# Altium PCB PIXHACK.PcbDoc (part 2 of 3)
Units mm, origin at the board's own origin, x right, y up, seen from the top; angles counter-clockwise.
Board outline 49 x 41 mm, 4 copper layers (Top Layer, GND, power, Bottom Layer); 140 components, 206 nets, 724 pads, 254 vias.
Unrouted connection lines stored in the file: 2.
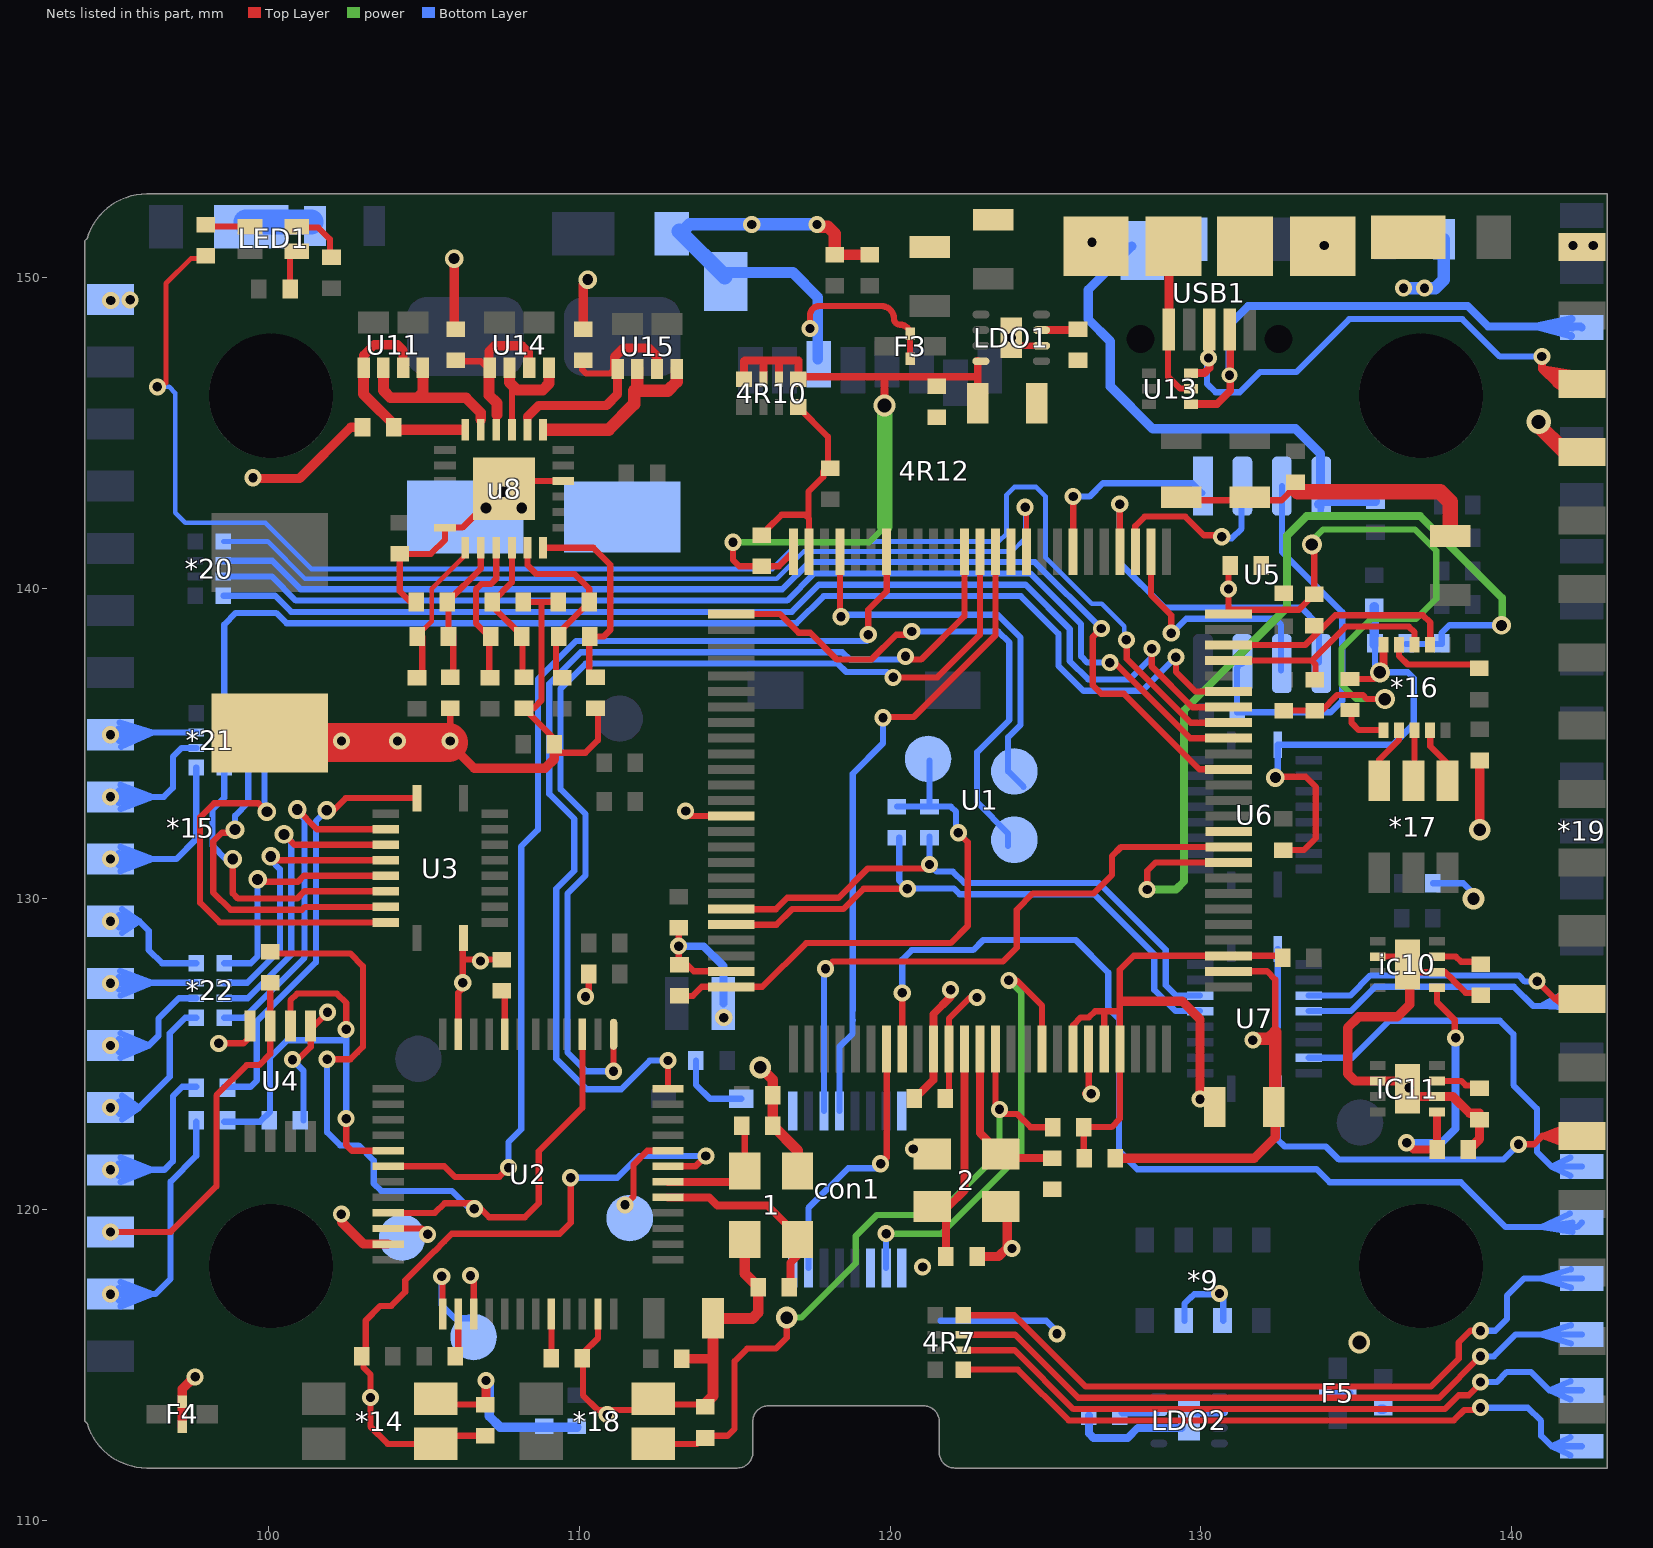
[diagram p4: the nets of this part, all layers, seen from the top]

## Via types
v1: diameter 0.55, hole 0.3, Top Layer to Bottom Layer, 198 vias
v2: diameter 0.6, hole 0.35, Top Layer to Bottom Layer, 24 vias
v3: diameter 0.7, hole 0.4, Top Layer to Bottom Layer, 9 vias
v4: diameter 0.9, hole 0.6, Top Layer to Bottom Layer, 5 vias
v5: diameter 0.7, hole 0.45, Top Layer to Bottom Layer, 4 vias
v6: diameter 0.65, hole 0.4, Top Layer to Bottom Layer, 4 vias
v7: diameter 0.5, hole 0.3, Top Layer to Bottom Layer, 2 vias
v8: diameter 0.8, hole 0.5, Top Layer to Bottom Layer, 2 vias
v9: diameter 0.65, hole 0.35, Top Layer to Bottom Layer, 2 vias
v10: diameter 0.9, hole 0.55, Top Layer to Bottom Layer, 1 vias
v11: diameter 1, hole 0.6, Top Layer to Bottom Layer, 1 vias
v12: diameter 0.8, hole 0.6, Top Layer to Bottom Layer, 1 vias
v13: diameter 0.8, hole 0.45, Top Layer to Bottom Layer, 1 vias

## Nets (pads, with @x,y where several pads share a name; then routed paths per layer and width w, separated by ;. In a path a pad name is that pad's centre, name@x,y a point inside that pad or via, vN(x,y) a via of type N, cw(c..) or ccw(c..) an arc to the next point about the centre after c; other vN are vias at no path point) (continued)
DM: *19.39 U13.1 USB1.2 | length 20.3
  Top Layer w0.254: U13.1@129.685,145.916 130.516,145.916 130.95,146.35 USB1.2@130.95,148.3
  Bottom Layer w0.254: v7@130.925,146.9 130.925,148.475 131.525,149.075 138.593,149.075 139.249,148.419 142.223,148.419 *19.39@142.259,148.383 ; *19.39@141.919,148.113 140.796,148.419 ; *19.39@141.935,148.655 140.796,148.419 ; *19.39@141.959,148.383 140.796,148.419
  other v7: 130.925,146.85
DP: *19.16 U13.3 USB1.3 | length 23.2
  Top Layer w0.254: U13.3@129.685,146.916 130.116,146.916 130.275,147.075 130.275,148.018 USB1.3@130.275,148.175 ; v1(140.975,147.45) 140.975,147.05 ; *19.16@141.785,146.305 140.975,147.05 ; *19.16@142.063,146.88 140.975,147.05 ; *19.16@142.267,146.572 141.453,146.572 ; 140.975,147.05 *19.16@141.967,146.572 ; 140.975,147.05 141.453,146.572 ; 141.453,146.572 *19.16@141.967,146.572 ; 141.453,146.572 141.865,146.879 141.453,146.572 ; 141.453,146.572 141.865,146.265 141.453,146.572 ; 141.453,146.572 *19.16@141.967,146.572
  Bottom Layer w0.2: v1@130.2,147.425 130.2,146.575 130.475,146.3 131.252,146.3 131.902,146.95 133.069,146.95 134.775,148.656 138.419,148.656 139.625,147.45 v1(140.975,147.45)
  other v1: 130.25,147.4
EXT_MISO: 4R7.3 *19.21 | length 24.6
  Top Layer w0.2: 4R7.3@122.35,115.975 124.025,115.975 126.055,113.945 137.67,113.945 v1(139,115.275)
  Bottom Layer w0.2: v1(139,115.275) 139.425,115.275 140.133,115.983 *19.21@142.259,115.983 ; *19.21@141.914,115.686 140.959,115.983 ; *19.21@141.914,116.28 140.959,115.983 ; *19.21@141.959,115.983 140.959,115.983
EXT_MOSI: 4R7.4 *19.22 | length 26
  Top Layer w0.2: 4R7.4@122.35,116.6 124,116.6 126.29,114.31 137.41,114.31 138.3,115.2 138.3,115.725 138.675,116.1 v1(139,116.1)
  Bottom Layer w0.2: v1(139,116.1) 139.475,116.1 139.85,116.475 139.85,117.225 140.408,117.783 *19.22@142.259,117.783 ; *19.22@141.914,117.486 140.959,117.783 ; *19.22@141.914,118.08 140.959,117.783 ; *19.22@141.959,117.783 140.959,117.783
EXT_NSS: 4R7.2 *19.20 | length 23.8
  Top Layer w0.2: 4R7.2@122.35,115.475 124.009,115.475 125.904,113.58 137.855,113.58 138.3,114.025 138.625,114.025 139,114.4 v1@138.88,114.52
  Bottom Layer w0.2: v1(139,114.45) 139.525,114.45 139.85,114.775 140.625,114.775 141.217,114.183 ; *19.20@141.898,113.889 141.217,114.183 ; *19.20@141.898,114.477 141.217,114.183 ; *19.20@141.959,114.183 141.217,114.183 ; *19.20@142.259,114.183 141.217,114.183
EXT_SCK: 4R7.1 *19.19 | length 23.3
  Top Layer w0.2: 4R7.1@122.35,114.85 124.118,114.85 125.753,113.215 138.14,113.215 138.475,113.55 138.9,113.55 v1@139.05,113.55
  Bottom Layer w0.2: 139.3,113.625 140.525,113.625 140.95,113.2 140.95,112.725 141.292,112.383 ; *19.19@141.892,112.091 141.292,112.383 ; *19.19@141.892,112.675 141.292,112.383 ; *19.19@141.959,112.383 141.292,112.383 ; *19.19@142.259,112.383 141.292,112.383
  other v1: 139,113.625
FMU_AMBER_LED: R41.2 U1.43 | length 51.5
  Top Layer w0.154: v1(96.425,146.475) 96.575,146.475 96.7,146.6 96.7,149.8 97.5,150.6 R41.2@98.1,150.6
  Top Layer w0.2: v1(127.606,138.332) 127.606,138.156 127.6,138.15 127.6,138.14 127.615,138.14 127.615,137.726 129.674,135.667 U1.43@130.894,135.667
  Bottom Layer w0.154: v1(96.425,146.475) 96.8,146.475 97,146.275 97,142.425 97.325,142.1 99.9,142.1 100.158,141.842 101.383,140.617 116.219,140.617 117.102,141.5 123.5,141.5 123.75,141.75 123.75,143 124,143.25 124.7,143.25 125,142.95 125,140.984 126.492,139.492 126.808,139.492 127.535,138.765 v1@127.535,138.215
  Bottom Layer w0.2: v1@127.535,138.215 127.6,138.15 127.606,138.156 v1(127.606,138.332)
FMU_CH1: *21.5 U1.45 | length 38.9
  Top Layer w0.2: v1(129.2,137.775) 129.2,137.3 129.833,136.667 U1.45@130.894,136.667
  Bottom Layer w0.2: *21.5@98.575,135.975 98.575,138.825 98.95,139.2 100.246,139.2 100.581,138.865 116.989,138.865 117.864,139.74 124.211,139.74 125.42,138.531 125.42,137.498 126.223,136.695 128.12,136.695 v1(129.2,137.775) v1@129.16,137.815
FMU_CH2: *20.4 U1.44 | length 36.5
  Top Layer w0.2: v1(128.425,138.05) 128.425,137.475 129.733,136.167 U1.44@130.894,136.167
  Bottom Layer w0.2: *20.4@98.55,139.75 100.212,139.75 100.732,139.23 116.837,139.23 117.712,140.105 124.363,140.105 125.785,138.683 125.785,137.649 126.374,137.06 127.71,137.06 128.425,137.775 v1(128.425,138.05)
FMU_CH3: *20.3 U1.42 | length 35.8
  Top Layer w0.2: v1(127.075,137.6) 127.225,137.6 129.658,135.167 U1.42@130.894,135.167
  Bottom Layer w0.2: *20.3@98.55,140.375 100.103,140.375 100.883,139.595 116.686,139.595 117.561,140.47 124.514,140.47 126.15,138.834 126.15,137.8 126.35,137.6 v1(127.075,137.6)
FMU_CH4: *20.2 U1.40 | length 37.3
  Top Layer w0.2: v1(126.8,138.7) 126.525,138.425 126.525,136.875 126.8,136.6 127.525,136.6 129.958,134.167 U1.40@130.894,134.167
  Bottom Layer w0.2: *20.2@98.55,140.875 100.119,140.875 101.034,139.96 116.535,139.96 117.41,140.835 124.665,140.835 v1(126.8,138.7)
FMU_CH5: *20.1 U1.60 | length 29.3
  Top Layer w0.15: v1(124.35,142.6) 124.394,142.556 U1.60@124.394,141.167
  Bottom Layer w0.15: *20.1@98.55,141.5 99.975,141.5 101.175,140.3 116.35,140.3 117.225,141.175 123.925,141.175 124.35,141.6 v1(124.35,142.6)
FMU_CH6: U1.61
FMU_RESET: *18.A4 C28.2 R34.1 U1.14 | length 22.5
  Top Layer w0.2: *18.A4@112.385,112.46 113.785,112.46 114.05,112.725 114.775,112.725 115,112.95 115,115.125 115.4,115.525 116.325,115.525 116.675,115.875 v3(116.675,116.525) ; U1.14@123.394,125.167 123.394,123.356 123.675,123.075 124.1,123.075 124.525,122.65 R34.1@125.229,122.65
  power w0.2: v3(116.675,116.525) 117.15,116.525 118.9,118.275 118.9,119.15 119.575,119.825 121.525,119.825 123.525,121.825 v1(123.525,123.225)
FMU_RX: U1.64 U2.12 | length 34.4
  Top Layer w0.2: U2.12@112.854,123.891 v1(112.854,124.796) ; v1@120.6,137.7 121,137.7 122.394,139.094 U1.64@122.394,141.167
  Bottom Layer w0.2: v1(112.854,124.796) 112.271,124.796 111.35,123.875 110.24,123.875 109.26,124.855 109.26,130.326 109.84,130.906 109.84,132.569 109.035,133.374 109.035,136.919 110.051,137.935 118.465,137.935 118.7,137.7 v1@120.4,137.7 ; v1@120.35,137.8 v1(120.5,137.8)
FMU_SWCLK: pad.1@124,131.9 U1.76 | length 17.4
  Top Layer w0.2: U1.76@114.894,139.167 116.449,139.167 117.058,138.558 117.433,138.558 118.291,137.7 119.4,137.7 120.2,138.5 v1@120.7,138.5
  Bottom Layer w0.2: v1(120.7,138.6) 123.484,138.6 123.835,138.249 123.835,135.751 122.8,134.716 122.8,133.1 123.8,132.1 pad.1@123.8,131.7
FMU_SWDIO: pad.1@124,134.1 U1.72 | length 13.4
  Top Layer w0.2: U1.72@118.394,141.167 118.394,139.106 v1(118.425,139.075)
  Bottom Layer w0.2: v1(118.425,139.075) 118.49,139.14 123.46,139.14 124.2,138.4 124.2,135.6 123.8,135.2 123.8,134.1 pad.1@124.3,133.6
FMU_SWO: U1.89 | length 1.3
  Top Layer w0.2: v1@113.583,132.667 U1.89@114.894,132.667
  other v1: 113.425,132.825
FMU_TX: U1.63 U2.13 | length 32.5
  Top Layer w0.2: v1(111.104,124.45) U2.13@111.104,125.641 ; v1(120.1,137.125) 121.525,137.125 122.894,138.494 U1.63@122.894,141.167
  Bottom Layer w0.2: v1(111.104,124.45) 110.225,124.45 109.625,125.05 109.625,130.175 110.205,130.755 110.205,132.72 109.4,133.525 109.4,136.768 110.202,137.57 118.314,137.57 118.584,137.3 119.9,137.3 v1@120.1,137.1
"FRAM_ MOSI": U1.54 U5.5 | length 11.9
  Top Layer w0.2: U1.54@127.394,141.167 v1(127.394,142.7)
  Bottom Layer w0.2: v1(127.394,142.7) 127.394,140.806 128.825,139.375 133.225,139.375 133.8,138.8 U5.5@133.8,137.6
FRAM_CS: U1.57 U5.1 | length 6.2
  Top Layer w0.2: U1.57@125.894,141.167 v1(125.894,142.944)
  Bottom Layer w0.2: v1(125.894,142.944) 126.419,142.944 126.85,143.375 129.728,143.375 U5.1@130.045,143.057
FRAM_MISO: U1.53 U5.2 | length 5.7
  Top Layer w0.2: U1.53@127.894,141.167 127.894,141.994 128.2,142.3 129.5,142.3 130.1,141.7 v1@130.6,141.7
  Bottom Layer w0.2: v1@130.8,141.6 131,141.6 131.315,141.915 U5.2@131.315,143.057
  other v1: 130.675,141.65
FRAM_SCK: U1.52 U5.6 | length 8.1
  Top Layer w0.2: U1.52@128.394,141.167 128.394,139.781 129.05,139.125 v1(129.05,138.55)
  Bottom Layer w0.2: v1@129.1,138.575 129.535,139.01 132.39,139.01 132.585,138.815 U5.6@132.585,137.342
GND: 1.2 1.4 2.2 2.4 4R10.8 4R12.6 4R12.NC 4R12.NC3 *8.1 *9.2 *9.3 *14.A2 *15.18 *16.5 *18.A2 *19.15 *19.18 C1.2 C2.2 C3.2 C4.2 C5.1 C6.1 C7.1 C8.1 C9.1 C10.1 C11.C C12.C C13.C C14.1 C15.1 C16.1 C17.1 C18.1 C19.1 C21.1 C22.1 C23.2 C24.1 C25.1 C26.1 C27.1 C28.1 C29.1 C30.1 C31.1 C32.2 C33.2 C34.2 C35.2 C36.1 C37.1 C38.1 C39.1 C40.1 C42.1 C44.2 C45.2 con1.1 con1.8 con1.9 con1.14 con1.16 D2.1 D3.1 ESD1.2 ESD2.2 F3.0 F4.0 F5.0 ic10.2 ic10.6 IC11.2 IC11.6 LDO1.2 LDO2.2 LDO2.6 pad.1@111.625,119.725 R8.1 R9.1 R12.1 R14.1 R15.2 R16.2 R18.1 R19.1 R20.2 R22.1 R24.1 R28.1 R33.2 R36.1 R37.1 R42.1 R44.1 U1.10 U1.20 U1.27 U1.74 U1.99 U2.8 U2.23 U2.35 U2.47 U3.11 U4.1 U4.4 U5.4 U6.11 U7.11 u8.10 u8.24 U13.2 USB1.5 | length 214.8
  Top Layer w0.15: C5.1@118.15,150.7 118.175,150.725 C5.1@118.225,150.725
  Top Layer w0.2: v1(98.4,125.35) 99.2,125.35 99.407,125.557 U4.4@99.407,125.901 ; C13.C@100.041,135.336 C13.C@100.148,135.229 ; v1@100.975,124.85 101.357,125.232 U4.1@101.357,125.901 101.451,125.901 v1(101.9,126.35) ; C1.2@104.575,139.55 104.225,139.9 C18.1@104.225,141.1 105.225,141.1 105.682,141.557 u8.24@105.682,141.944 106.244,141.944 u8.10@106.875,142.575 ; *14.A2@105.569,113.725 C24.1@106.975,113.725 ; v1@105.846,135.229 R18.1@105.846,136.131 ; U2.23@106.104,125.641 106.104,126.979 106.25,127.125 106.25,128.712 U3.11@106.278,128.74 ; 106.331,128.044 R12.1@107.504,128.044 ; u8.10@107.906,143.444 u8.10@109.483,143.444 ; C2.2@108.2,139.55 C33.2@109.325,139.55 ; 108.786,139.55 108.786,136.386 108.531,136.131 R8.1@108.221,136.131 109.2,135.152 C21.1@109.2,134.975 ; C21.1@109.325,134.7 110.2,134.7 110.6,135.1 110.6,136.052 R19.1@110.521,136.131 R19.1@110.394,136.131 ; v1@110.2,126.875 110.306,126.981 R28.1@110.306,127.579 ; U2.47@110.604,116.641 110.604,115.856 110.119,115.371 110.119,114.031 110.6,113.55 112.025,113.55 *18.A2@112.385,113.91 ; v1@111.5,120.175 111.75,120.425 111.75,121.45 112.191,121.891 U2.8@112.854,121.891 ; *18.A2@112.569,113.725 C28.1@114.05,113.725 ; R33.2@113.204,129.069 113.204,127.896 C36.1@113.225,127.875 113.475,127.875 113.683,127.667 U1.99@114.894,127.667 ; C9.1@116.05,141.9 116.51,142.36 117.265,142.36 117.394,142.231 ; 4R10.8@117.05,145.825 118,144.875 118,143.925 C26.1@118.075,143.85 ; v1@117.375,148.3 ccw(c117.375,148.35) v1(117.425,148.35) 117.425,148.775 cw(c117.724,148.775) 117.724,149.074 119.726,149.074 cw(c119.726,148.675) 120.125,148.675 ccw(c120.325,148.675) 120.325,148.475 cw(c120.325,148.153) 120.647,148.153 F3.0@120.647,147.383 ; U1.74@117.394,141.167 117.394,142.231 ; C26.1@117.85,143.75 117.85,143.575 117.375,143.1 117.375,142.25 117.394,142.231 ; v1@121.95,126.841 v1(121.95,127.075) ; LDO1.2@124.15,147.8 LDO1.2@124.975,147.8 ; v1@126.275,123.725 126.394,123.844 U1.20@126.394,125.167 ; C6.1@127.225,121.625 C6.1@127.25,121.65 ; USB1.5@128.95,148.075 128.95,146.8 129.334,146.416 U13.2@129.685,146.416 ; C30.1@129.375,142.825 C31.1@131.4,142.825 ; v1(130.6,117.3) v1@130.6,117.475 ; U1.27@130.894,127.667 132.133,127.667 132.4,127.4 132.4,125.7 ; C31.1@131.4,142.925 C31.1@131.4,142.825 ; v2@132.3,134.05 132.425,133.925 133.375,133.925 133.7,133.6 133.7,131.95 133.319,131.569 R20.2@132.654,131.569 ; C25.1@132.625,139.875 C25.1@132.7,139.8 ; C22.1@133.05,143.275 133,143.225 132.6,142.825 C31.1@131.4,142.825 ; R14.1@134.804,137.069 135.569,137.069 v6@135.881,137.381 ; ic10.2@135.702,128.139 ic10.2@136.402,128.139 ; ic10.2@136.902,127.639 ic10.6@137.602,127.639 137.867,127.639 138.117,127.389 138.117,127.383 138.527,126.973 R9.1@139.012,126.973
  Top Layer w0.254: C38.1@120.888,123.663 121.394,124.169 U1.10@121.394,125.167 121.394,126.285 v1@121.95,126.841 ; v6@135.881,137.381 *16.5@135.881,138.181
  Top Layer w0.3: F4.0@97.228,113.017 F4.0@97.228,113.817 97.228,114.228 v1@97.6,114.6 ; v1@99.475,143.525 101,143.525 102.65,145.175 C3.2@103.025,145.175 ; v1@102.35,119.85 102.35,119.6 103.059,118.891 U2.35@103.854,118.891 ; v1@105.796,135.029 106.625,134.2 108.9,134.2 109.2,134.5 C21.1@109.2,134.975 ; C32.2@105.975,148.325 v2(105.975,150.6) ; C24.1@107,113.825 v1(107,114.5) ; C34.2@110.125,148.525 110.125,149.775 v2(110.275,149.925) ; C39.1@113.3,115.2 114.2,115.2 ; C27.1@122.801,118.491 123.491,118.491 123.775,118.775 2.4@123.775,119.99 ; C6.1@127.25,121.65 131.725,121.65 132.4,122.325 C15.1@132.4,123.725 ; USB1.5@128.979,148.447 USB1.5@128.979,150.629 ; C22.1@132.925,143.3 133,143.225 133.125,143.1 ; IC11.2@136.402,124.138 IC11.2@135.702,124.138 134.962,124.138 134.725,124.375 134.725,125.85 135.075,126.2 136.325,126.2 136.725,126.6 ic10.2@136.725,127.925 ; IC11.2@136.902,123.638 IC11.6@137.602,123.638 138.112,123.638 138.653,123.097 138.97,123.097 138.97,122.27 R15.2@138.6,121.9 ; C17.1@138.025,141.675 C17.1@138.156,141.806 ; v3@138.975,132.425 C29.1@138.975,134.45 ; *19.15@141.728,144.372 *19.15@142.267,144.372
  Top Layer w0.35: C28.1@113.95,113.65 114.3,114 C14.1@114.3,116.5 115.575,116.5 115.761,116.686 C4.2@115.761,117.504 115.325,117.94 1.4@115.325,119.038 ; v3(115.825,124.575) 116.225,124.175 C37.1@116.225,123.675 C8.1@116.225,122.7 117.025,121.9 1.2@117.025,121.238 ; C5.1@118.225,150.725 C19.1@119.35,150.725
  Top Layer w0.4: v1@117.675,151.625 118,151.625 118.225,151.4 C5.1@118.225,150.725 ; v1@131.8,125.5 132.2,125.5 132.4,125.7 C15.1@132.4,123.725
  Top Layer w0.5: 133.125,143.1 137.7,143.1 138.025,142.775 C17.1@138.025,141.675 ; v13@140.8,145.3 *19.15@141.728,144.372
  Top Layer w1.25: C13.C@100.098,135.029 v1@105.796,135.029
  Bottom Layer w0.2: v1(100.775,124.825) 101.125,124.475 ESD2.2@101.125,122.875 ; 4R12.NC3@114.685,149.982 4R12.NC3@114.685,150.015 ; 121.625,116.425 125.025,116.425 v1@125.412,116.037 ; *9.3@129.475,116.425 129.475,116.975 129.68,117.18 129.696,117.18 129.791,117.275 130.625,117.275 130.725,117.175 *9.2@130.725,116.425 ; v1(131.675,125.45) 132.05,125.45 132.478,125.878 U7.11@132.478,128.385 ; v2@132.478,133.878 U6.11@132.478,134.96 136.185,134.96 136.85,135.625 136.85,137.1 136.663,137.287 v6(135.763,137.287) 135.606,137.444 R44.1@135.606,138.221 ; U5.4@133.855,143.057 133.855,142.432 133.91,142.794 133.947,143.044 133.954,143.085 U5.4@133.966,143.169 ; F5.0@134.008,114.097 F5.0@134.808,114.097 ; R22.1@137.469,130.504 138.446,130.504 138.8,130.15 v3@138.8,129.9
  Bottom Layer w0.254: v1(113.2,128.475) 114,128.475 114.639,127.836 *8.1@114.639,126.633 ; C44.2@126.4,113.375 126.4,112.8 126.55,112.65 127.65,112.65 127.975,112.975 LDO2.2@129.375,112.975 ; LDO2.2@129.875,113.475 LDO2.6@130.7,113.475
  Bottom Layer w0.3: v1@107.1,114.4 107.1,113.35 107.45,113 ESD1.2@109.925,113 ; 4R12.NC@127.775,151 126.375,149.6 126.375,148.65 127.092,147.933 127.092,146.483 128.45,145.125 133.05,145.125 133.855,144.32 U5.4@133.855,143.057 ; U5.4@133.8,142.7 133.894,142.794 133.91,142.794 R36.1@135.621,142.794 ; U5.4@133.915,143.085 U5.4@133.954,143.085 ; R44.1@135.579,138.179 R24.1@135.579,139.406 ; C35.2@135.8,113.575 C35.2@135.875,113.575
  Bottom Layer w0.35: 4R12.NC3@114.75,150.15 116.875,150.15 117.675,149.35 4R12.6@117.675,147.372
  Bottom Layer w0.4: D3.1@113.375,151.525 113.55,151.7 v1(115.55,151.7) v1(117.65,151.7)
  Bottom Layer w0.5: D3.1@113.225,151.475 4R12.NC3@114.685,150.015
  other v1: 110.9,113.4 97.64,114.617 125.375,116 121.05,118.15 123.925,118.75 102.346,119.854 111.475,120.15 120.75,121.95 126.475,123.725 136.7,123.925 114.65,126.175 110.204,126.85 106.25,127.3 106.825,128 102.35,135.079 104.15,135.079 105.846,135.079 99.5,143.55 94.925,149.25 95.55,149.275 133.975,151.025 141.975,151.025 142.625,151.025 126.498,151.125
  other v2: 132.4,133.9 107,142.575 108.15,142.575 107.55,143.1
  other v3: 138.775,130 138.975,132.225
  other v5: 135.1,115.725
  other v7: 123.9,148.05
  other v13: 140.875,145.35
GPIO_EXT_1: *19.23 U1.8 | length 35.1
  Top Layer w0.2: U1.8@120.394,125.167 v1(120.394,126.975)
  Bottom Layer w0.2: v1(120.394,126.975) 120.394,128.044 120.7,128.35 122.675,128.35 123,128.675 125.978,128.675 127.025,127.628 127.025,126.475 127.37,126.13 127.37,121.889 127.959,121.3 133.725,121.3 134.145,120.88 138.37,120.88 139.815,119.435 142.111,119.435 *19.23@142.259,119.583 ; *19.23@141.872,119.87 140.949,119.435 ; *19.23@141.958,119.283 140.949,119.435 ; *19.23@141.959,119.583 140.949,119.435
GPS1_RX: *19.24 U7.18 | length 15
  Bottom Layer w0.2: U7.18@133.478,124.885 134.875,124.885 136.065,126.075 139.625,126.075 140.06,125.64 140.06,124.006 140.815,123.251 140.815,121.86 141.292,121.383 ; *19.24@141.892,121.091 141.292,121.383 ; *19.24@141.892,121.675 141.292,121.383 ; *19.24@141.959,121.383 141.292,121.383 ; *19.24@142.259,121.383 141.292,121.383
GPS1_TX: *19.5 U7.20 | length 16.9
  Top Layer w0.2: v1(140.225,122.1) 140.725,122.1 140.997,122.372 ; *19.5@141.904,122.028 140.997,122.372 ; *19.5@141.904,122.716 140.997,122.372 ; *19.5@141.955,122.222 140.997,122.372 ; *19.5@141.955,122.522 140.997,122.372 ; *19.5@141.967,122.372 140.997,122.372 ; *19.5@142.267,122.372 140.997,122.372
  Bottom Layer w0.2: U7.20@132.478,123.885 132.478,122.247 132.695,122.03 134.027,122.03 134.447,121.61 139.735,121.61 v1(140.225,122.1)
GYRO_CS: con1.10 U1.7 | length 8.6
  Top Layer w0.2: v1(119.7,121.475) 119.894,121.669 U1.7@119.894,125.167
  Bottom Layer w0.2: con1.10@117.375,118.125 117.375,120.05 118.658,121.333 119.558,121.333 v1(119.7,121.475)
GYRO_DRDY: con1.6 U1.35 | length 20.3
  Top Layer w0.2: v1(117.925,127.75) 118.155,127.98 123.63,127.98 124.075,128.425 124.075,129.65 124.6,130.175 126.55,130.175 127.14,130.765 127.14,131.374 127.433,131.667 U1.35@130.894,131.667
  Bottom Layer w0.2: con1.6@117.875,123.175 117.875,125.959 117.875,127.7 v1(117.925,127.75)
I2C1_SCL: R31.2 U1.95 U7.7 | length 19.2
  Top Layer w0.2: U1.95@114.894,129.667 116.327,129.667 116.695,130.035 118.344,130.035 119.284,130.975 121.4,130.975 v1(121.271,131.104)
  Bottom Layer w0.2: R31.2@121.271,131.994 v1(121.271,131.104) 121.5,130.875 122.025,130.875 122.39,130.51 126.724,130.51 128.87,128.364 128.87,127.22 129.205,126.885 U7.7@129.978,126.885
I2C1_SDA: R29.2 U1.96 U7.6 | length 19.4
  Top Layer w0.2: U1.96@114.894,129.167 116.344,129.167 116.846,129.67 118.495,129.67 119.15,130.325 v1@120.325,130.325
  Bottom Layer w0.2: R29.2@120.296,131.969 120.296,130.586 v1(120.558,130.325) 120.577,130.345 120.785,130.345 120.795,130.335 122.049,130.335 122.239,130.145 126.573,130.145 128.505,128.213 128.505,127.069 129.188,126.385 U7.6@129.978,126.385
I2C2_SCL: *16.3 R30.2 U1.47 | length 7.6
  Top Layer w0.2: U1.47@130.894,137.667 133.567,137.667 ; R30.2@133.696,137.081 133.696,137.538 133.567,137.667 ; *16.3@136.881,138.181 136.881,138.578 136.699,138.76 134.66,138.76 133.567,137.667
I2C2_SDA: *16.2 R25.2 U1.48 | length 7.7
  Top Layer w0.2: U1.48@130.894,138.167 133.367,138.167 134.325,139.125 137.15,139.125 137.381,138.894 *16.2@137.381,138.181
I2C_SCL: *19.7 U7.14 | length 12.3
  Top Layer w0.2: v1(140.825,127.35) 141.403,126.772 ; *19.7@141.858,126.439 141.403,126.772 ; *19.7@141.858,127.105 141.403,126.772 ; *19.7@141.947,126.623 141.403,126.772 ; *19.7@141.947,126.921 141.403,126.772 ; *19.7@141.967,126.772 141.403,126.772 ; *19.7@142.267,126.772 141.403,126.772
  Bottom Layer w0.2: U7.14@133.478,126.885 134.81,126.885 135.46,127.535 140.23,127.535 140.43,127.335 v1@140.825,127.335 ; v1@140.825,127.275 v1(140.825,127.35)
I2C_SDA: *19.27 U7.15 | length 12.6
  Bottom Layer w0.2: U7.15@133.478,126.385 134.827,126.385 135.611,127.17 140.079,127.17 140.699,126.55 142.026,126.55 *19.27@142.259,126.783 ; *19.27@141.851,127.063 140.942,126.55 ; *19.27@141.959,126.783 140.942,126.55 ; *19.27@141.983,126.484 140.942,126.55
IO-BOOT0: R37.2 U2.44 | length 1.2
  Top Layer w0.2: R37.2@109.104,115.411 U2.44@109.104,116.641
IO-BOOT1: R12.2 U2.20 | length 1.3
  Top Layer w0.2: U2.20@107.604,125.641 R12.2@107.604,126.944
IO-OSC_IN: 1.3 C8.2 U2.6 | length 4.3
  Top Layer w0.2: 1.3@115.325,121.238 C8.2@115.325,122.711
  Top Layer w0.254: U2.6@112.854,120.891 115.503,120.891 1.3@115.65,121.038
IO-OSC_OUT: 1.1 C4.1 U2.5 | length 6.7
  Top Layer w0.254: U2.5@112.854,120.391 114.184,120.391 114.45,120.125 116.063,120.125 117.35,118.838 116.8,118.288 C4.1@116.8,117.504
IO-SWCLK: pad.1@106.6,115.9 U2.37 | length 3.2
  Top Layer w0.2: U2.37@105.604,116.641 v1@105.604,117.821
  Bottom Layer w0.2: v1(105.575,117.85) 105.575,116.925 106,116.5 pad.1@106.5,116.5
IO_RESET: *14.A4 C24.2 R7.1 U2.7 | length 23.1
  Top Layer w0.2: R7.1@103.056,115.354 103.056,114.919 103.281,114.694 v1(103.281,113.95) 103.281,113.019 103.84,112.46 *14.A4@105.385,112.46 105.685,112.46 105.95,112.725 C24.2@106.975,112.725 ; R7.1@103.131,115.354 103.131,116.431 103.6,116.9 103.95,116.9 104.4,117.35 104.4,117.725 105.339,118.664 105.345,118.664 105.661,118.98 105.661,118.986 105.9,119.225 109.375,119.225 109.725,119.575 v1(109.725,121.025) ; U2.7@112.854,121.391 113.741,121.391 v1(114.075,121.725)
  Bottom Layer w0.2: v1(109.725,121.025) 111.225,121.025 111.925,121.725 v1(114.075,121.725)
IO_SWDIO: pad.1@104.3,119.1 U2.34 | length 1.4
  Top Layer w0.2: U2.34@103.854,119.391 104.934,119.391 v1@105.15,119.175
  other v1: 105.121,119.204
IO_SWO: U2.39 | length 1.2
  Top Layer w0.2: v1@106.6,117.875 106.604,117.871 U2.39@106.604,116.641
  other v1: 106.5,117.875
IO_USART1_TX: U1.69 U2.30 | length 34.6
  Top Layer w0.2: U2.30@103.854,121.391 105.659,121.391 106,121.05 107.425,121.05 v1(107.725,121.35) ; v1@119.3,138.4 119.3,139.3 119.894,139.894 U1.69@119.894,141.167
  Bottom Layer w0.2: v1(107.725,121.35) 107.725,122.175 108.135,122.585 108.135,131.685 108.67,132.22 108.67,137.07 109.9,138.3 119.25,138.3 119.325,138.375 119.3,138.4 v1(119.3,138.5)
MAG_DRDY: U1.36
MAIN_CH1: *15.4 R50.1 | length 10.6
  Bottom Layer w0.2: v1(94.915,121.279) 96.654,121.279 96.925,121.55 96.925,123.65 97.225,123.95 R50.1@97.675,123.95 ; *15.4@95.165,121.279 96.265,121.279 ; *15.4@95.183,121.08 96.265,121.279 ; *15.4@95.183,121.478 96.265,121.279 ; *15.4@95.238,120.886 96.265,121.279 ; *15.4@95.238,121.672 96.265,121.279
MAIN_CH2: *15.5 *22.1 | length 8.1
  Bottom Layer w0.2: v1(94.915,123.279) 95.829,123.279 ; *15.5@95.165,123.279 95.829,123.279 ; *15.5@95.195,123.081 95.829,123.279 ; *15.5@95.195,123.477 95.829,123.279 ; *15.5@95.285,122.898 95.829,123.279 ; *15.5@95.285,123.66 95.829,123.279 ; *22.1@97.675,126.175 97.325,126.175 96.825,125.675 96.825,124.275 95.829,123.279
MAIN_CH3: *15.6 *22.2 | length 8.7
  Bottom Layer w0.2: v1(94.915,125.279) 96.154,125.279 ; *15.6@95.165,125.279 96.154,125.279 ; *15.6@95.185,125.08 96.154,125.279 ; *15.6@95.185,125.478 96.154,125.279 ; *15.6@95.246,124.887 96.154,125.279 ; *15.6@95.246,125.671 96.154,125.279 ; *22.2@97.675,126.8 97.119,126.8 96.46,126.141 96.46,125.585 96.154,125.279
MAIN_CH4: *15.7 *22.3 | length 8.2
  Bottom Layer w0.2: *15.7@94.936,127.3 *22.3@97.675,127.3 ; *15.7@95.165,127.279 96.265,127.3 ; *15.7@95.179,127.478 96.265,127.3 ; *15.7@95.187,127.08 96.265,127.3 ; *15.7@95.23,127.674 96.265,127.3 ; *15.7@95.245,126.887 96.265,127.3
  other v1: 94.915,127.279
MAIN_CH5: *15.8 *22.4 | length 7.1
  Bottom Layer w0.2: v1(94.915,129.279) 95.846,129.279 ; *15.8@95.165,129.279 95.846,129.279 ; *15.8@95.194,129.081 95.846,129.279 ; *15.8@95.194,129.477 95.846,129.279 ; *15.8@95.282,128.897 95.846,129.279 ; *15.8@95.282,129.661 95.846,129.279 ; *22.4@97.675,127.925 96.575,127.925 96.15,128.35 96.15,128.975 95.846,129.279
MAIN_CH6: *15.9 *21.1 | length 10.8
  Bottom Layer w0.2: v1(94.915,131.279) 97.029,131.279 97.675,131.925 *21.1@97.675,134.225 ; *15.9@95.165,131.279 96.265,131.279 ; *15.9@95.183,131.08 96.265,131.279 ; *15.9@95.183,131.478 96.265,131.279 ; *15.9@95.238,130.886 96.265,131.279 ; *15.9@95.238,131.672 96.265,131.279
MAIN_CH7: *15.10 *21.2 | length 9.5
  Bottom Layer w0.2: v1(94.915,133.279) 96.629,133.279 96.925,133.575 96.925,134.575 97.2,134.85 *21.2@97.675,134.85 ; *15.10@95.165,133.279 96.265,133.279 ; *15.10@95.183,133.08 96.265,133.279 ; *15.10@95.183,133.478 96.265,133.279 ; *15.10@95.238,132.886 96.265,133.279 ; *15.10@95.238,133.672 96.265,133.279
MAIN_CH8: *15.11 *21.3 | length 8.3
  Bottom Layer w0.2: v1(94.915,135.279) 94.986,135.35 *21.3@97.675,135.35 ; *15.11@95.165,135.279 96.267,135.35 ; *15.11@95.17,135.479 96.267,135.35 ; *15.11@95.196,135.081 96.267,135.35 ; *15.11@95.212,135.676 96.267,135.35 ; *15.11@95.262,134.891 96.267,135.35
MCU_3V3: 4R10.1 4R10.2 4R10.3 4R10.4 C6.2 C7.2 C9.2 C10.2 C15.2 C36.2 C38.2 C42.2 LDO1.8 pad.1@121.225,134.5 R10.1 R17.1 R25.1 R29.1 R30.1 R31.1 R34.2 U1.11 U1.19 U1.21 U1.22 U1.28 U1.50 U1.75 U1.100 | length 88.9
  Top Layer w0.2: C36.2@113.225,126.875 113.65,126.875 113.942,127.167 U1.100@114.894,127.167 115.892,127.167 117.3,128.575 121.95,128.575 122.5,129.125 122.5,131.825 v1(122.2,132.125) ; v1(114.95,141.475) 114.95,140.9 115.15,140.7 C9.2@115.875,140.7 116.427,140.7 U1.75@116.894,141.167 ; C38.2@121.894,123.694 U1.11@121.894,125.167 121.894,126.144 122.575,126.825 v1(122.8,126.825) ; U1.19@125.894,125.167 125.894,125.937 126.139,126.182 126.396,126.182 126.599,126.385 126.985,126.385 ; C6.2@126.231,121.669 R34.2@126.231,122.654 127.129,122.654 127.394,122.919 U1.22@127.394,125.167 127.394,126.381 ; U1.21@126.894,125.167 126.894,126.294 126.981,126.381 127.394,126.381 ; U1.50@130.894,139.167 U1.50@130.894,139.3 ; v1(130.894,139.969) U1.50@130.894,139.3 ; v1@130.894,140.144 C42.2@130.894,140.669 ; R10.1@132.671,136.056 R30.1@133.671,136.056 133.891,136.056 134.394,136.559 135.214,136.559 135.348,136.425 v6(135.925,136.425) ; R17.1@132.683,128.167 U1.28@130.894,128.167 127.842,128.167 127.394,127.719 127.394,126.381 ; v6@133.654,141.4 R25.1@133.654,139.794 133.16,139.3 U1.50@130.894,139.3
  Top Layer w0.254: 4R10.4@115.3,146.725 115.3,147.3 ; 115.325,147.325 117.05,147.325 4R10.1@117.05,146.725 4R10.1@117.076,146.725 ; 4R10.3@115.925,146.725 115.925,147.325 ; 4R10.2@116.425,146.725 116.425,147.325 ; 4R10.1@117.125,146.8 119.825,146.8 ; v5(119.825,145.875) 119.825,146.8 ; C7.2@122.825,145.725 122.825,146.8 ; LDO1.8@122.825,147.3 122.825,146.8 ; 119.825,146.8 122.825,146.8
  Top Layer w0.3: 127.5,126.7 129.4,126.7 129.978,126.122 v1(129.978,123.553)
  power w0.2: v1(114.95,141.475) 119.325,141.475 119.825,141.975 ; v6@133.575,141.2 133.575,141.525 133.937,141.887 136.888,141.887 137.575,141.2 137.575,139.65 136.925,139 135.476,139 134.525,138.049 134.525,136.9 135,136.425 v6(135.925,136.425)
  power w0.5: 119.825,141.975 v5(119.825,145.875)
  Bottom Layer w0.2: R29.1@120.221,132.969 R31.1@121.271,132.969 ; pad.1@121.271,134.454 R31.1@121.271,132.969 ; v1@122.125,132.125 122.125,132.8 121.956,132.969 R31.1@121.271,132.969
  other v6: 133.575,141.4
MPU_CS: con1.15 U1.17 | length 15.1
  Top Layer w0.2: v1@123.813,127.363 124.087,127.363 124.894,126.556 U1.17@124.894,125.167
  power w0.2: v1(119.875,119.225) 121.65,119.225 124.225,121.8 124.225,126.975 v1(123.825,127.375)
  Bottom Layer w0.2: con1.15@119.875,118.125 v1(119.875,119.225)
MPU_DRDY: con1.5 U1.62 | length 20.6
  Top Layer w0.2: v1@119.775,135.85 120.766,135.85 123.394,138.478 U1.62@123.394,141.167
  Bottom Layer w0.2: con1.5@118.375,123.175 118.375,125.241 118.795,125.661 118.795,126.097 ; 118.8,126.092 118.795,126.097 ; v1(119.775,135.825) 119.775,135 118.8,134.025 118.8,126.404 118.795,126.399 118.795,126.097
Net*16_4: *16.4 R13.2 | length 3.1
  Top Layer w0.2: *16.4@136.381,138.181 136.381,137.812 136.652,137.541 138.83,137.541 R13.2@138.959,137.412
Net*16_6: *16.6 R14.2 | length 1.6
  Top Layer w0.2: R14.2@134.853,136.146 134.853,135.657 135.079,135.431 *16.6@135.881,135.431
Net*16_7: *16.7 *17.C3 | length 1.9
  Top Layer w0.2: *17.C3@135.742,133.793 135.742,134.472 136.381,135.111 *16.7@136.381,135.431
Net*16_8: *16.8 *17.C2 | length 1.6
  Top Layer w0.2: *17.C2@136.881,133.832 *16.8@136.881,135.431
Net*16_9: *16.9 *17.C1 | length 1.9
  Top Layer w0.2: *16.9@137.381,135.431 137.381,134.907 137.942,134.346 *17.C1@137.942,133.793
NetC1_1: C1.1 R4.1 R18.2 u8.2 | length 4.4
  Top Layer w0.2: R4.1@105.793,138.44 105.793,139.588 106.833,140.627 u8.2@106.833,141.294 ; R18.2@105.943,137.328 R4.1@105.943,138.44
NetC2_1: C2.1 R3.1 R8.2 u8.4 | length 4.6
  Top Layer w0.2: C2.1@107.183,139.434 R3.1@108.177,138.44 ; C2.1@107.208,139.562 107.212,139.562 107.833,140.183 u8.4@107.833,141.294 ; R8.2@108.171,137.131 R3.1@108.171,138.371
NetC3_1: C3.1 u8.18 U11.1 U11.3 | length 6.9
  Top Layer w0.3: U11.1@103.061,147.087 103.061,147.486 103.4,147.825 104.15,147.825 104.331,147.644 U11.3@104.331,147.087
  Top Layer w0.35: U11.1@103.061,147.087 103.061,146.239 104.206,145.094 106.182,145.094
NetC32_1: C32.1 u8.16 U14.1 U14.3 | length 5.9
  Top Layer w0.2: C32.1@106.075,147.3 106.834,147.3 U14.1@107.046,147.087 ; u8.16@107.332,145.094 107.332,145.818
  Top Layer w0.3: U14.1@107.096,147.087 107.096,147.621 107.275,147.8 108.15,147.8 108.366,147.584 U14.3@108.366,147.087
  Top Layer w0.35: U14.1@107.096,147.087 107.096,146.204 107.35,145.95 107.35,145.575
NetC33_1: C33.1 R5.1 R6.2 u8.5 | length 5.9
  Top Layer w0.2: 108.332,140.768 108.332,140.743 ; u8.5@108.332,141.294 108.332,140.743 ; R5.1@109.254,137.119 R6.2@109.254,138.32 ; R6.2@109.4,138.525 109.4,138.625 C33.1@110.325,139.55 110.325,139.975 109.85,140.45 108.625,140.45 108.332,140.743
NetC34_1: C34.1 u8.14 U15.1 U15.3 | length 8.3
  Top Layer w0.2: u8.14@108.332,145.094 108.332,145.482 ; C34.1@110.1,147.325 110.1,147.025 110.225,146.9 110.988,146.9 U15.1@111.133,147.045
  Top Layer w0.3: 108.332,145.482 108.332,145.514 108.693,145.875 110.875,145.875 111.233,146.233 U15.1@111.233,147.045 ; U15.1@111.133,147.045 111.133,147.433 111.425,147.725 112.225,147.725 112.503,147.447 U15.3@112.503,147.045
NetC44_1: C44.1 LDO2.3 | length 1.1
  Bottom Layer w0.254: C44.1@127.475,113.475 LDO2.3@128.55,113.475
NetC45_1: C45.1 LDO1.3 | length 1.1
  Top Layer w0.254: LDO1.3@124.975,148.3 C45.1@126.025,148.3
NetD1_2: D1.2 F1.2 | length 2.1
  Bottom Layer w0.8: D1.2@99.279,151.775 F1.2@101.375,151.775
Netd4_2: d4.2 F2.1 | length 2.7
  Bottom Layer w0.4: v1(136.525,149.65) v1(137.2,149.65) 137.55,149.65 137.825,149.925 F2.1@137.825,151.225
Netd5_2: d5.2 R45.1 | length 2.4
  Bottom Layer w0.2: R45.1@113.756,124.796 113.756,124.019 114.208,123.567 d5.2@115.211,123.567
Netic10_5: ic10.5 IC11.5 R15.1 | length 8.7
  Top Layer w0.2: ic10.5@137.602,127.139 137.602,126.673 138.175,126.1 v1@138.175,125.65
  Top Layer w0.254: v1(136.625,122.15) 136.844,121.931 R15.1@137.608,121.931 ; R15.1@137.602,121.937 IC11.5@137.602,123.138
  Bottom Layer w0.254: v1(136.625,122.15) 137.75,122.15 138.2,122.6 v1(138.2,125.525)
Netic10_7: ic10.7 R9.2 | length 1.5
  Top Layer w0.2: ic10.7@137.602,128.139 138.211,128.139 138.377,127.973 R9.2@139.012,127.973
NetIC11_7: IC11.7 R16.1 | length 1.4
  Top Layer w0.2: IC11.7@137.602,124.138 138.387,124.138 138.528,123.997 R16.1@138.97,123.997
NetLED1_1: LED1.1 R47.1 | length 1.8
  Top Layer w0.2: LED1.1@100.9,151.6 101.6,151.6 101.979,151.221 R47.1@101.979,150.694
NetLED1_2: LED1.2 R48.1 | length 1
  Top Layer w0.2: R48.1@100.694,149.621 LED1.2@100.694,150.594
NetLED1_4: LED1.4 R41.1 | length 1.3
  Top Layer w0.2: R41.1@98.1,151.7 98.167,151.633 LED1.4@99.409,151.633
NetR1_1: R1.1 R3.2 u8.3 | length 4.8
  Top Layer w0.2: R1.1@107.102,137.119 107.102,138.44 106.675,138.867 106.675,139.954 106.848,140.127 107.152,140.127 107.332,140.307 u8.3@107.332,141.294
NetR2_1: R2.1 R4.2 u8.1 | length 4.9
  Top Layer w0.15: R4.2@104.793,138.468 105.25,138.925 105.25,139.975 106.332,141.057 u8.1@106.332,141.294
  Top Layer w0.2: R4.2@104.793,138.44 R4.2@104.793,138.468 ; R2.1@104.947,137.052 R4.2@104.947,138.44
NetR6_1: R6.1 R19.2 u8.6 | length 6.6
  Top Layer w0.2: u8.6@108.833,141.294 110.456,141.294 111,140.75 111,138.65 110.79,138.44 110.321,138.44 R19.2@110.321,137.131
NetR46_2: R46.2 U2.38 | length 1.3
  Top Layer w0.2: R46.2@106.104,115.304 U2.38@106.104,116.641
NetR51_1: R51.1 U5.3 U5.7 | length 12.9
  Bottom Layer w0.2: U5.7@131.34,137.567 ccw(c131.34,137.396) 131.169,137.396 R51.1@131.169,136.004 134.179,136.004 134.55,136.375 134.55,139.225 132.61,141.165 U5.3@132.61,143.282
Netu8_13: u8.13 U15.2 U15.4 | length 6.1
  Top Layer w0.4: u8.13@108.908,145.094 110.944,145.094 111.768,145.918 111.768,146.35 111.773,146.355 ; 111.868,146.35 U15.2@111.868,147.045 ; 111.873,146.355 112.854,146.355 113.138,146.639 U15.4@113.138,147.045
Netu8_15: u8.15 U14.2 U14.4 | length 3.7
  Top Layer w0.2: u8.15@107.833,145.094 107.833,146.375
  Top Layer w0.35: U14.2@107.757,147.087 107.757,146.619 108,146.375 108.825,146.375 109.027,146.577 U14.4@109.027,147.087
Netu8_17: u8.17 U11.2 U11.4 | length 5.7
  Top Layer w0.2: u8.17@106.833,145.094 u8.17@106.833,145.417
  Top Layer w0.35: U11.2@103.696,147.087 103.696,146.354 103.925,146.125 104.8,146.125 ; U11.4@104.966,147.087 104.966,146.292 104.8,146.125 ; u8.17@106.833,145.417 106.833,145.642 106.35,146.125 106.325,146.125 104.8,146.125
OSC_IN: 2.3 C27.2 U1.12 | length 7
  Top Layer w0.254: 2.3@121.361,120.095 121.873,120.095 122.394,120.616 U1.12@122.394,125.167 ; C27.2@121.801,118.491 2.3@121.801,119.655
OSC_OUT: 2.1 C23.1 U1.13 | length 5.2
  Top Layer w0.254: U1.13@122.894,125.167 122.894,122.462 2.1@123.561,121.795 ; 2.1@123.698,121.658 C23.1@125.222,121.658
PPM_IN: ESD2.1 R49.2 U2.29 U4.2 | length 15.4
  Top Layer w0.2: U4.2@100.707,125.901 100.707,126.732 100.925,126.95 102.2,126.95 102.5,126.65 v1(102.5,125.8) ; v1(102.5,122.925) 102.5,122.075 102.684,121.891 U2.29@103.854,121.891
  Bottom Layer w0.2: R49.2@98.575,122.825 99.725,122.825 100.05,123.15 100.05,124.9 100.6,125.45 102.5,125.45 v1(102.5,125.8) v1(102.5,122.925) v1@102.6,122.825
PRESSURE_SENS: R43.1 R44.2 U1.34 | length 29.8
  Top Layer w0.2: v1(128.275,130.3) 128.275,130.9 128.542,131.167 U1.34@130.894,131.167
  power w0.254: v1(128.275,130.3) 129.2,130.3 129.464,130.564 129.464,136.064 132.775,139.375 132.775,141.687 133.401,142.313 137.062,142.313 139.7,139.675 139.7,138.825 v2(139.675,138.8)
  Bottom Layer w0.2: R44.2@136.606,138.196 137.756,138.196 137.756,138.556 138,138.8 v2(139.675,138.8)
PWM_OUT1: R50.2 U3.1 | length 13.8
  Top Layer w0.2: v2(101.875,132.85) 102.1,132.85 102.49,133.24 U3.1@104.778,133.24
  Bottom Layer w0.2: R50.2@98.575,123.95 99.425,123.95 99.625,124.15 99.625,126.059 101.525,127.959 101.525,132.5 v2(101.875,132.85)
PWM_OUT2: *22.8 U3.3 | length 11.4
  Top Layer w0.2: v2(100.925,132.875) 101.56,132.24 U3.3@103.778,132.24
  Bottom Layer w0.2: *22.8@98.575,126.175 99.225,126.175 101.16,128.11 101.16,132.565 v2@100.85,132.875
PWM_OUT3: *22.7 U3.4 | length 10.1
  Top Layer w0.2: v2(100.5,132.075) 100.835,131.74 U3.4@103.778,131.74
  Bottom Layer w0.2: *22.7@98.575,126.8 99.334,126.8 100.734,128.2 100.734,131.841 v2(100.5,132.075)
PWM_OUT4: *22.6 U3.5 | length 8.9
  Top Layer w0.2: v2@100.15,131.24 U3.5@103.778,131.24
  Bottom Layer w0.2: *22.6@98.575,127.3 99.318,127.3 100.369,128.351 100.369,130.956 v2@100.05,131.275
  other v2: 100.075,131.365
PWM_OUT5: *22.5 U3.6 | length 7.8
  Top Layer w0.2: v2@99.65,130.55 100.95,130.55 101.14,130.74 U3.6@103.778,130.74
  Bottom Layer w0.2: *22.5@98.575,127.925 99.426,127.925 99.65,128.149 v2@99.65,130.55
  other v2: 99.65,130.625
PWM_OUT6: *21.8 U3.7 | length 9.7
  Top Layer w0.2: v2(98.85,131.275) 98.85,130.175 99.015,130.01 100.926,130.01 101.156,130.24 U3.7@103.778,130.24
  Bottom Layer w0.2: *21.8@98.575,134.225 98.575,133.25 98.2,132.875 98.2,131.7 98.625,131.275 v2(98.85,131.275) v2@98.846,131.279
PWM_OUT7: *21.7 U3.8 | length 11.7
  Top Layer w0.2: v2@98.85,132.125 98.5,132.125 98.225,131.85 98.225,130.2 98.78,129.645 101.077,129.645 101.172,129.74 U3.8@103.778,129.74
  Bottom Layer w0.2: *21.7@98.575,134.85 99.125,134.85 99.35,134.625 99.35,133.1 98.925,132.675 v2(98.925,132.225)
PWM_OUT8: *21.6 U3.9 | length 15
  Top Layer w0.2: v2(99.95,132.8) 99.675,133.075 98.25,133.075 97.8,132.625 97.8,129.875 98.435,129.24 U3.9@103.778,129.24
  Bottom Layer w0.2: *21.6@98.575,135.35 99.425,135.35 99.875,134.9 v2@99.875,132.8
RC_IN: *15.2 R49.1 | length 13
  Bottom Layer w0.2: v1(94.915,117.279) 96.354,117.279 96.85,117.775 96.85,120.9 97.675,121.725 R49.1@97.675,122.825 ; *15.2@95.165,117.279 96.265,117.279 ; *15.2@95.183,117.08 96.265,117.279 ; *15.2@95.183,117.478 96.265,117.279 ; *15.2@95.238,116.886 96.265,117.279 ; *15.2@95.238,117.672 96.265,117.279
RSSI_IN: R11.1 U2.15 U2.33 | length 26.9
  Top Layer w0.2: R11.1@100.054,128.244 102.631,128.244 103.04,127.835 103.04,125.24 102.855,125.055 102.638,124.837 v1(101.888,124.837) ; U2.33@103.854,119.891 105.356,119.891 105.665,120.2 106.65,120.2 107.1,119.75 108.25,119.75 108.7,120.2 108.7,121.875 110.104,123.279 U2.15@110.104,125.641
  Bottom Layer w0.2: v1(101.888,124.837) 101.888,122.487 102.31,122.065 102.901,122.065 103.39,121.576 103.39,120.835 103.625,120.6 105.9,120.6 v1@106.55,119.95
  other v1: 106.625,120.025
RSSI_IN_PROT: *15.3 R11.2 U4.3 | length 11.5
  Top Layer w0.2: v1(94.915,119.279) 96.854,119.279 98.325,120.75 98.325,123.675 99.3,124.65 99.7,124.65 100.057,125.007 U4.3@100.057,125.901 R11.2@100.057,127.241